# Altium PCB ComplexCurcuit.PcbDoc (part 1 of 2)
Units mm, origin at the board's own origin, x right, y up, seen from the top; angles counter-clockwise.
Board outline 109 x 101.5 mm, 4 copper layers (Top Layer, GND, POWER, Bottom Layer), stack 1.369 mm thick; 127 components, 88 nets, 439 pads, 188 vias.
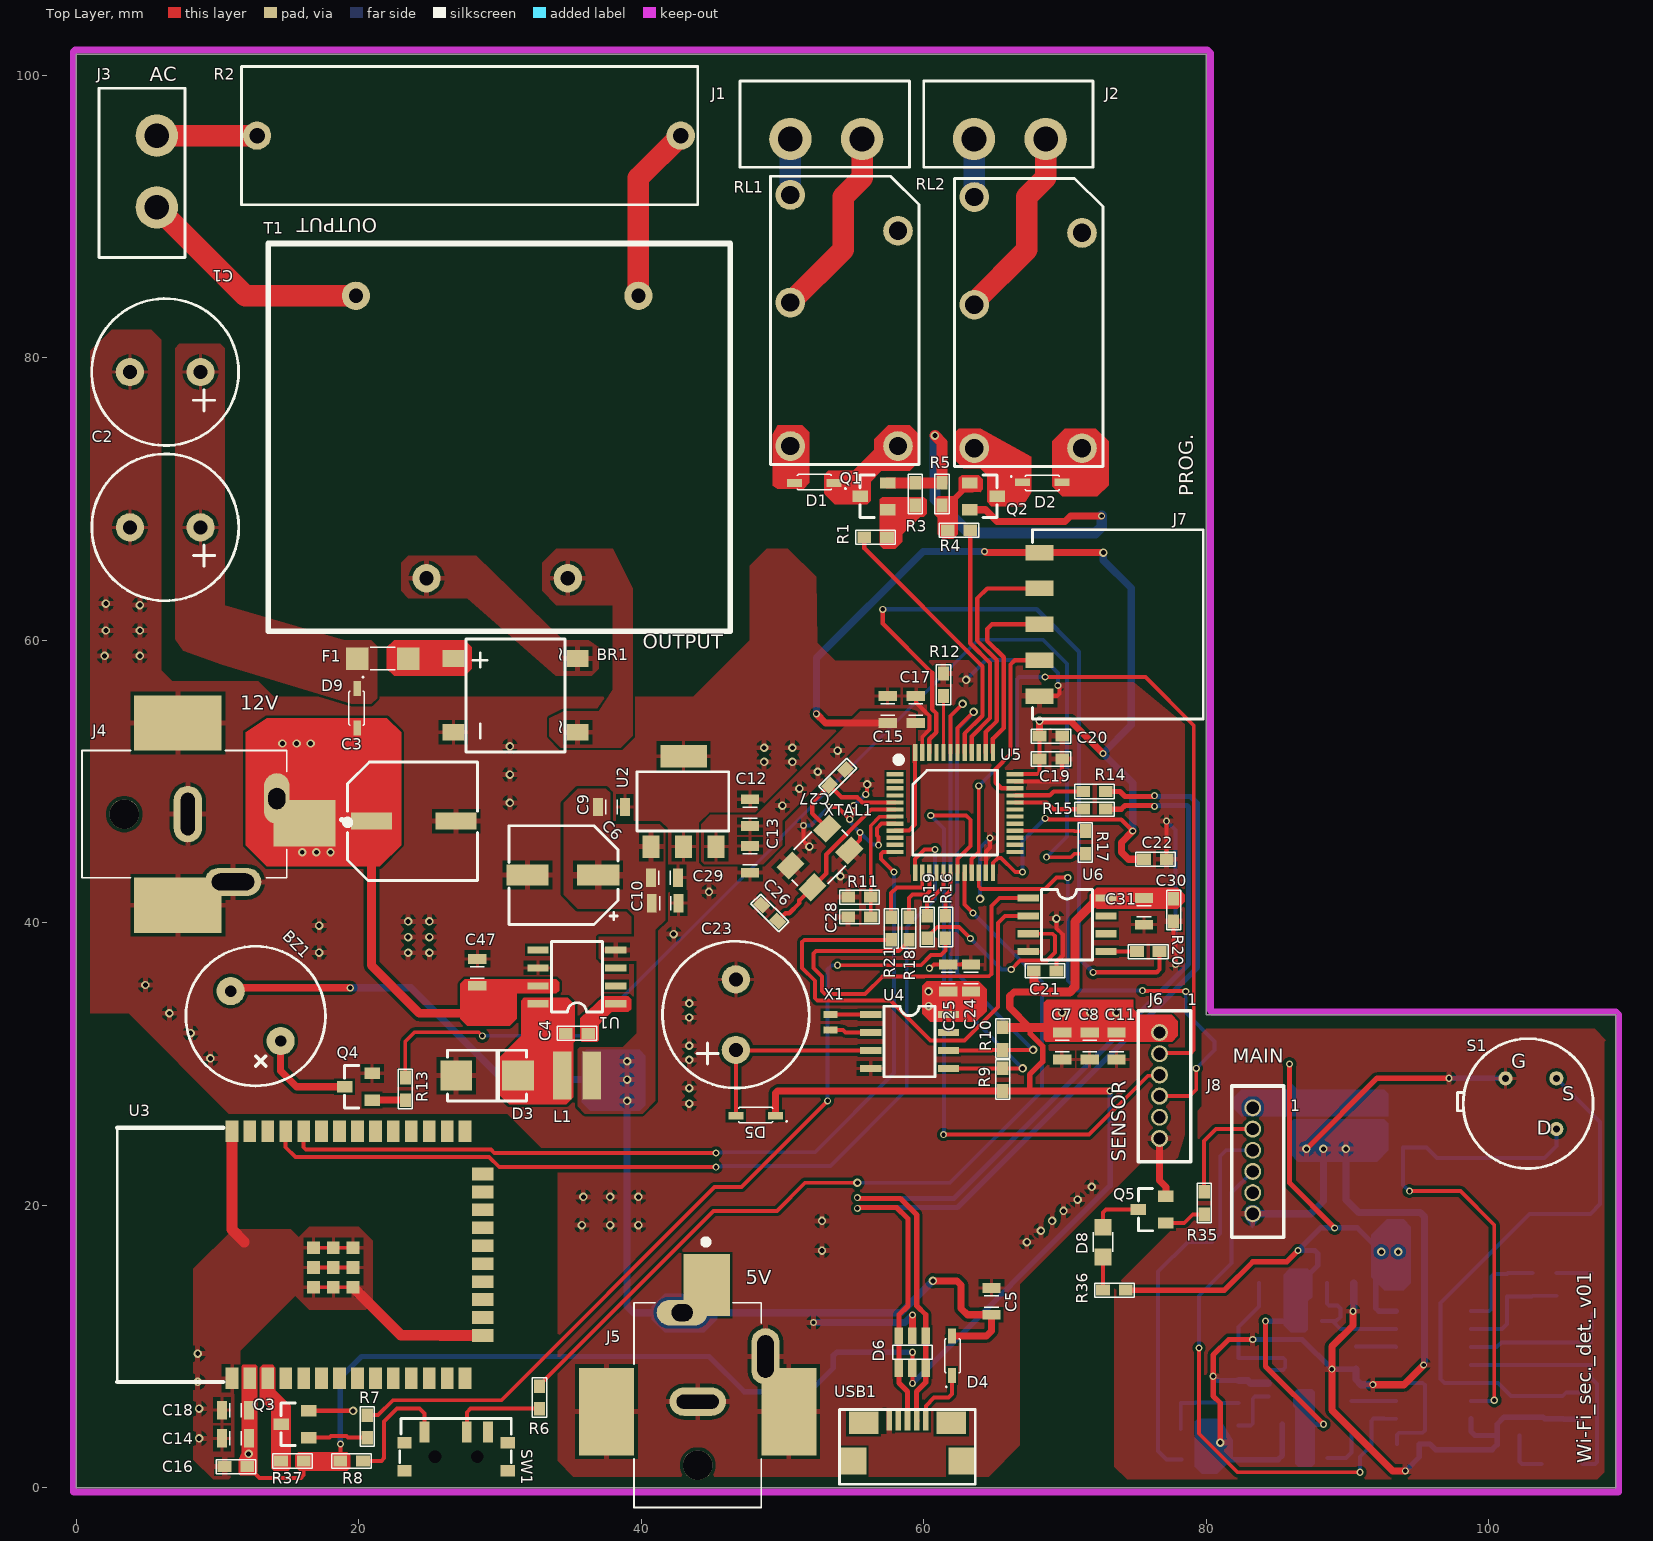
[diagram p0: Top Layer view]
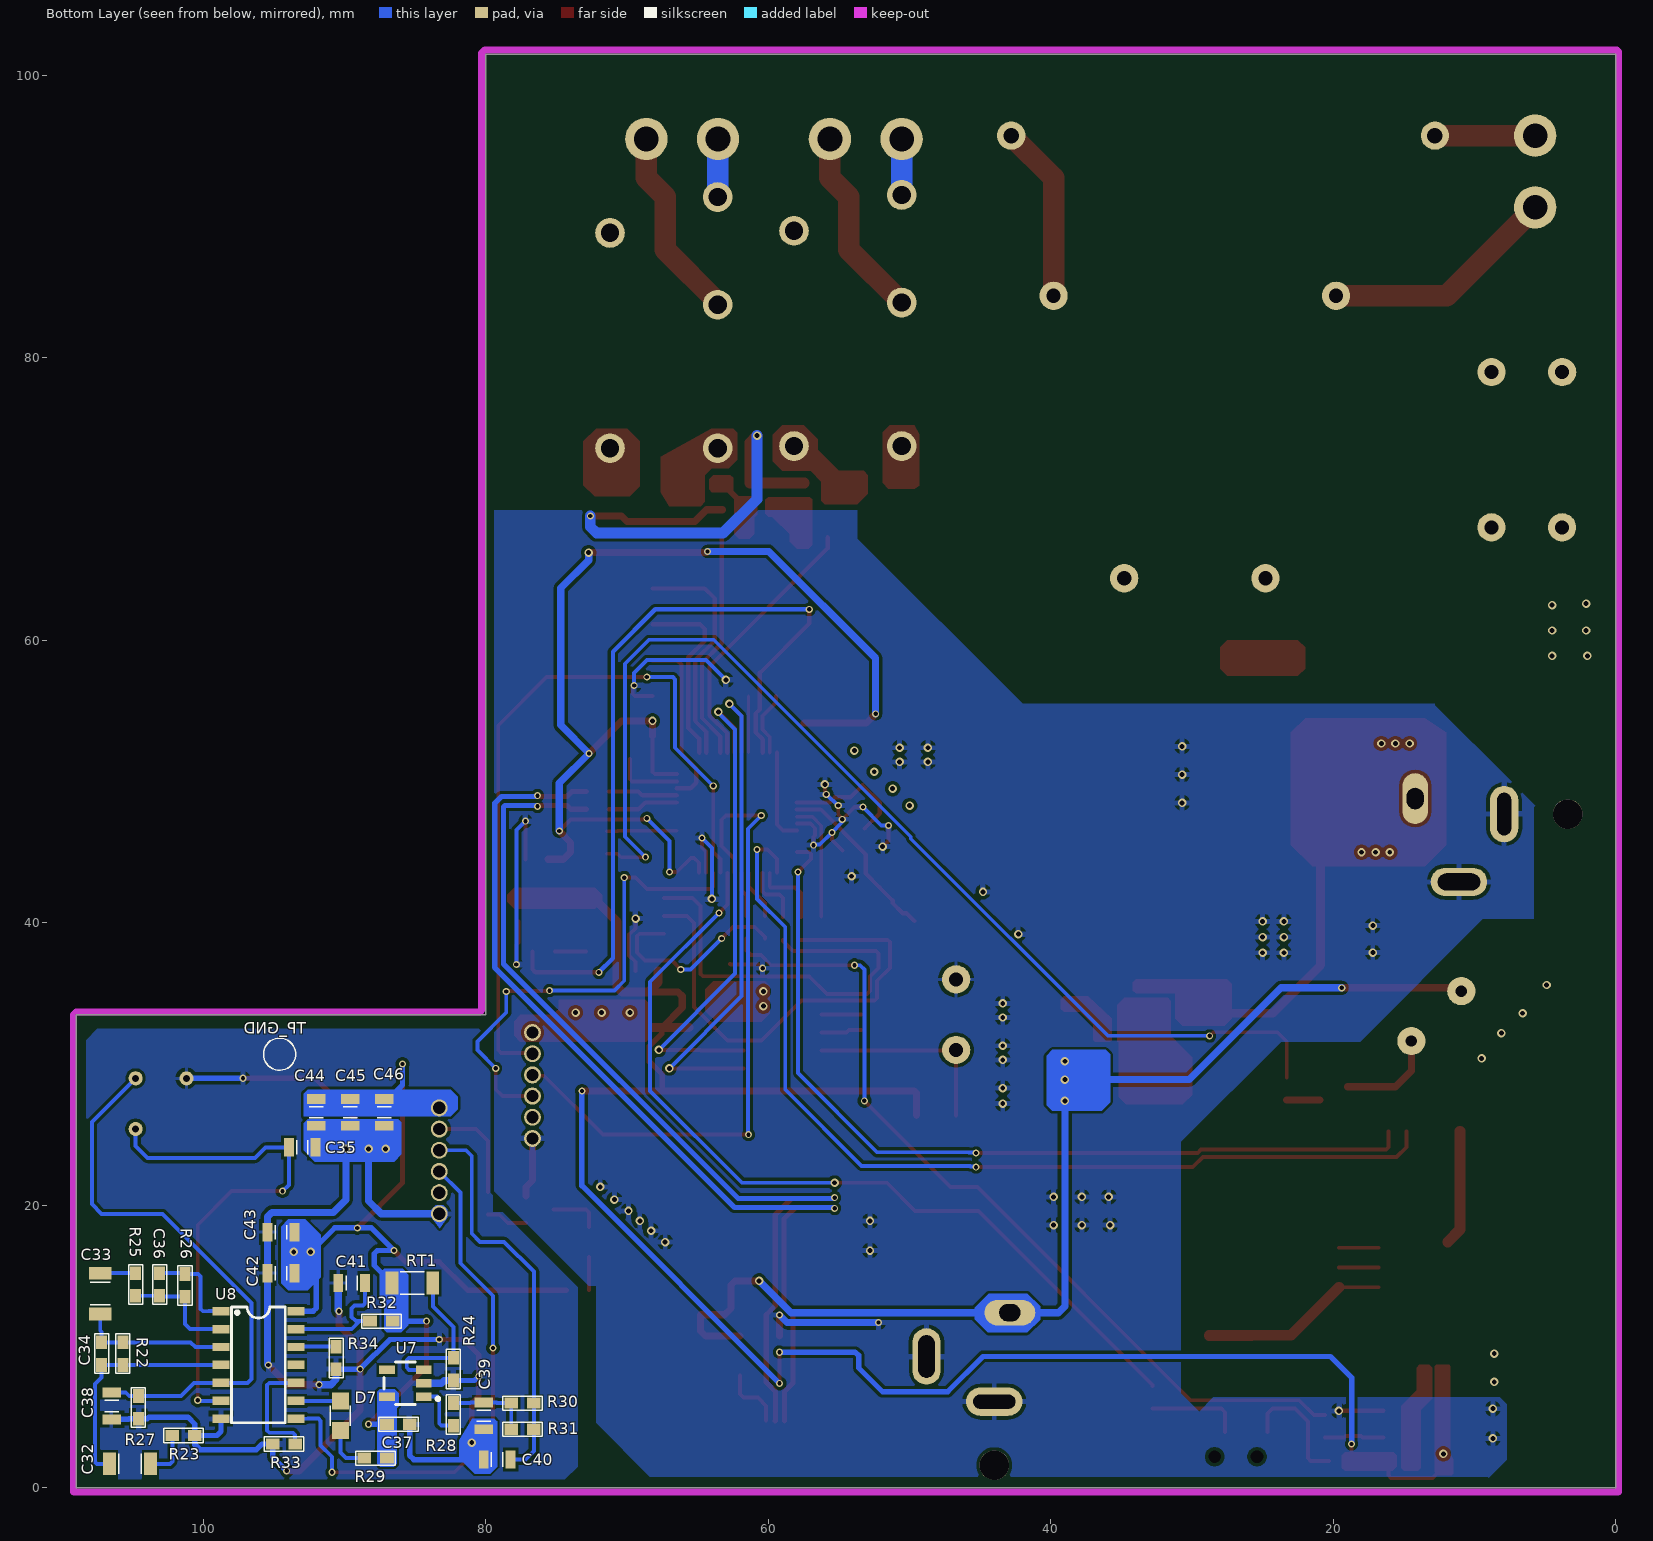
[diagram p1: Bottom Layer view, seen from below]
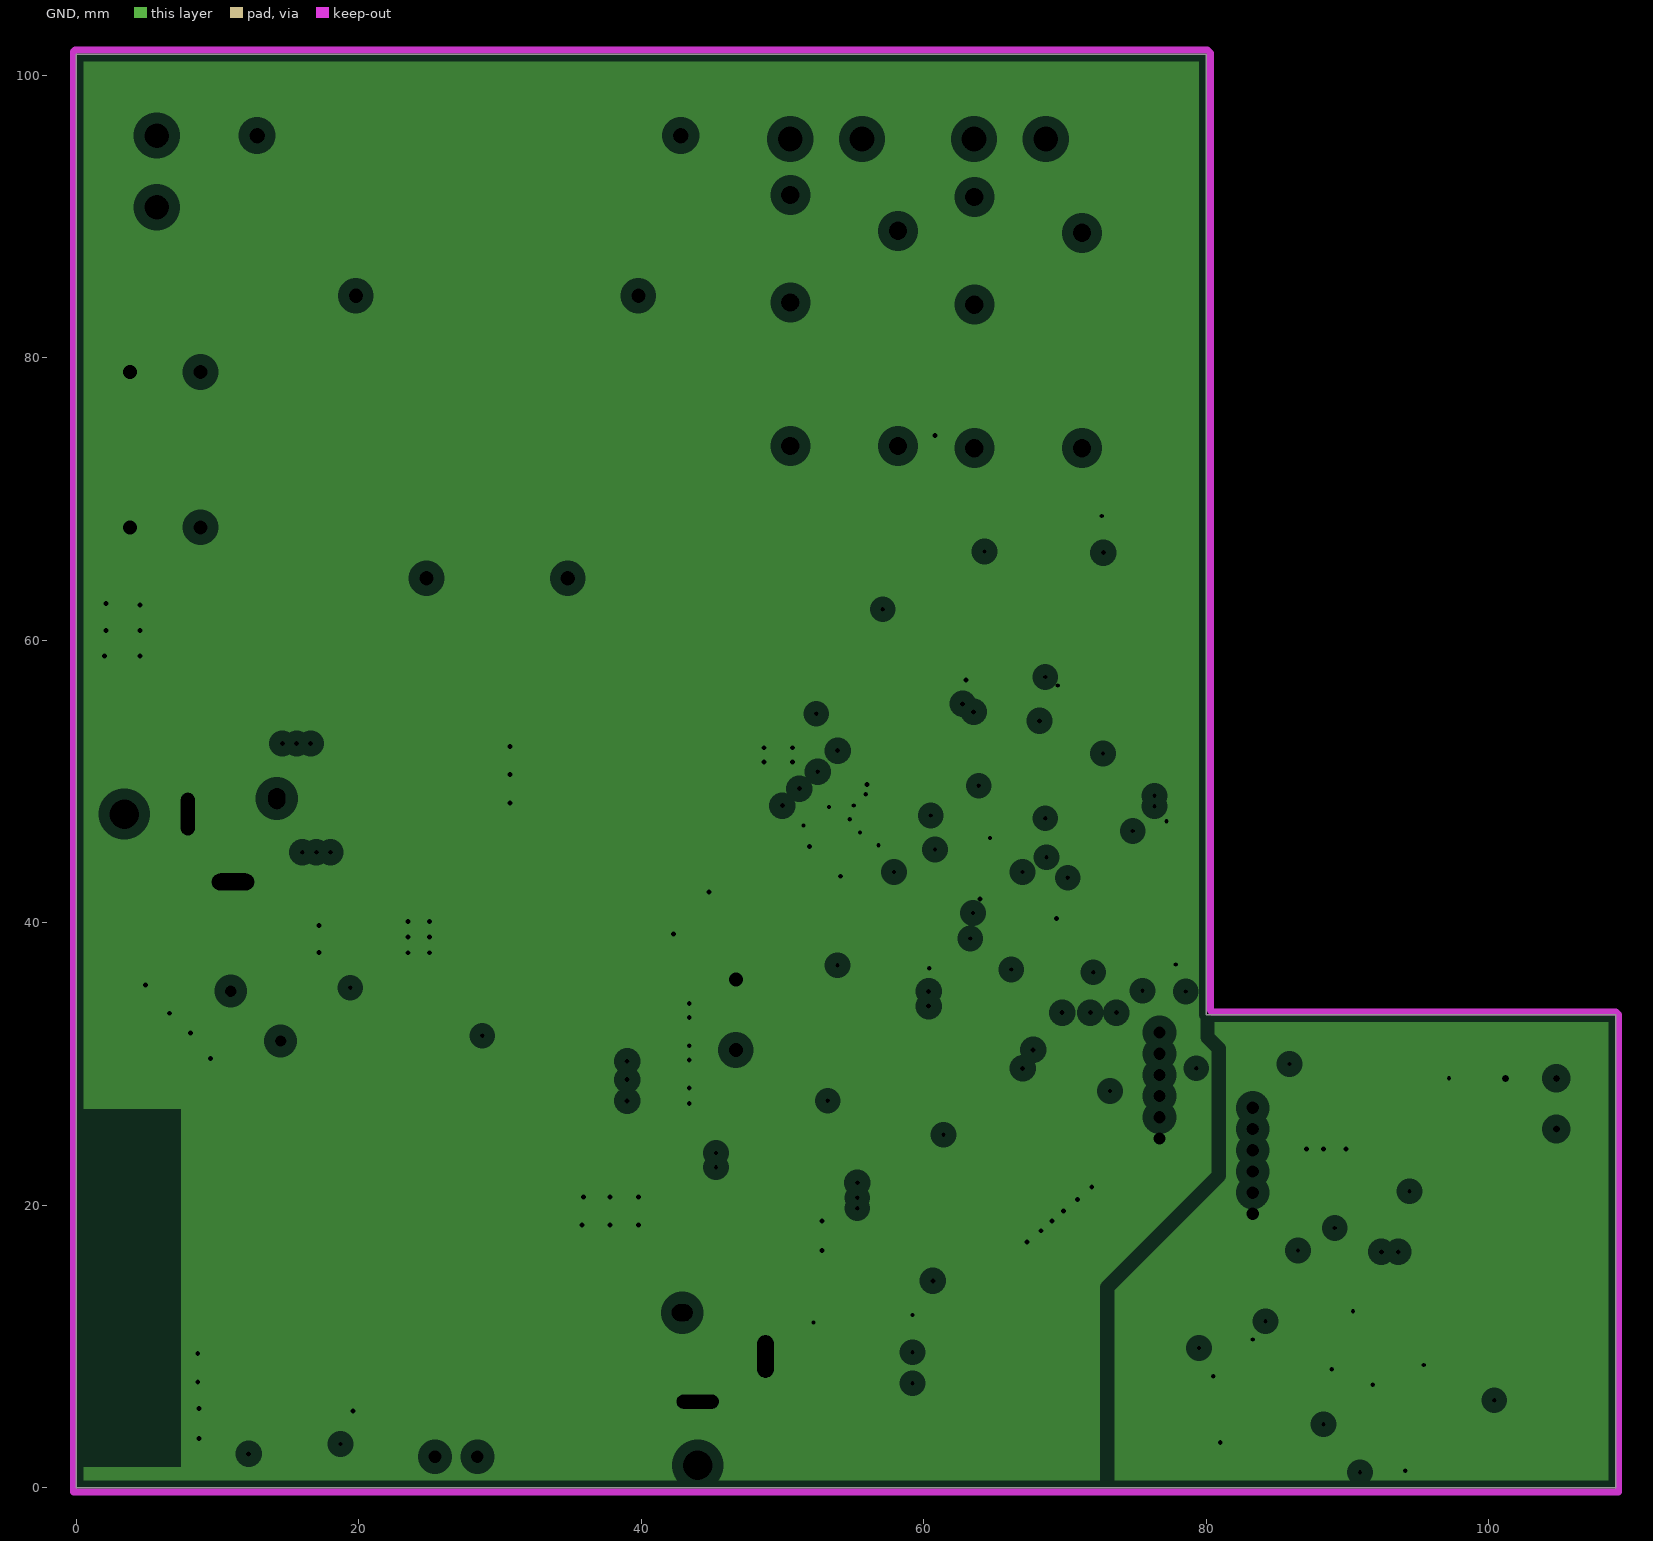
[diagram p2: GND, clearances drawn from the general rule]
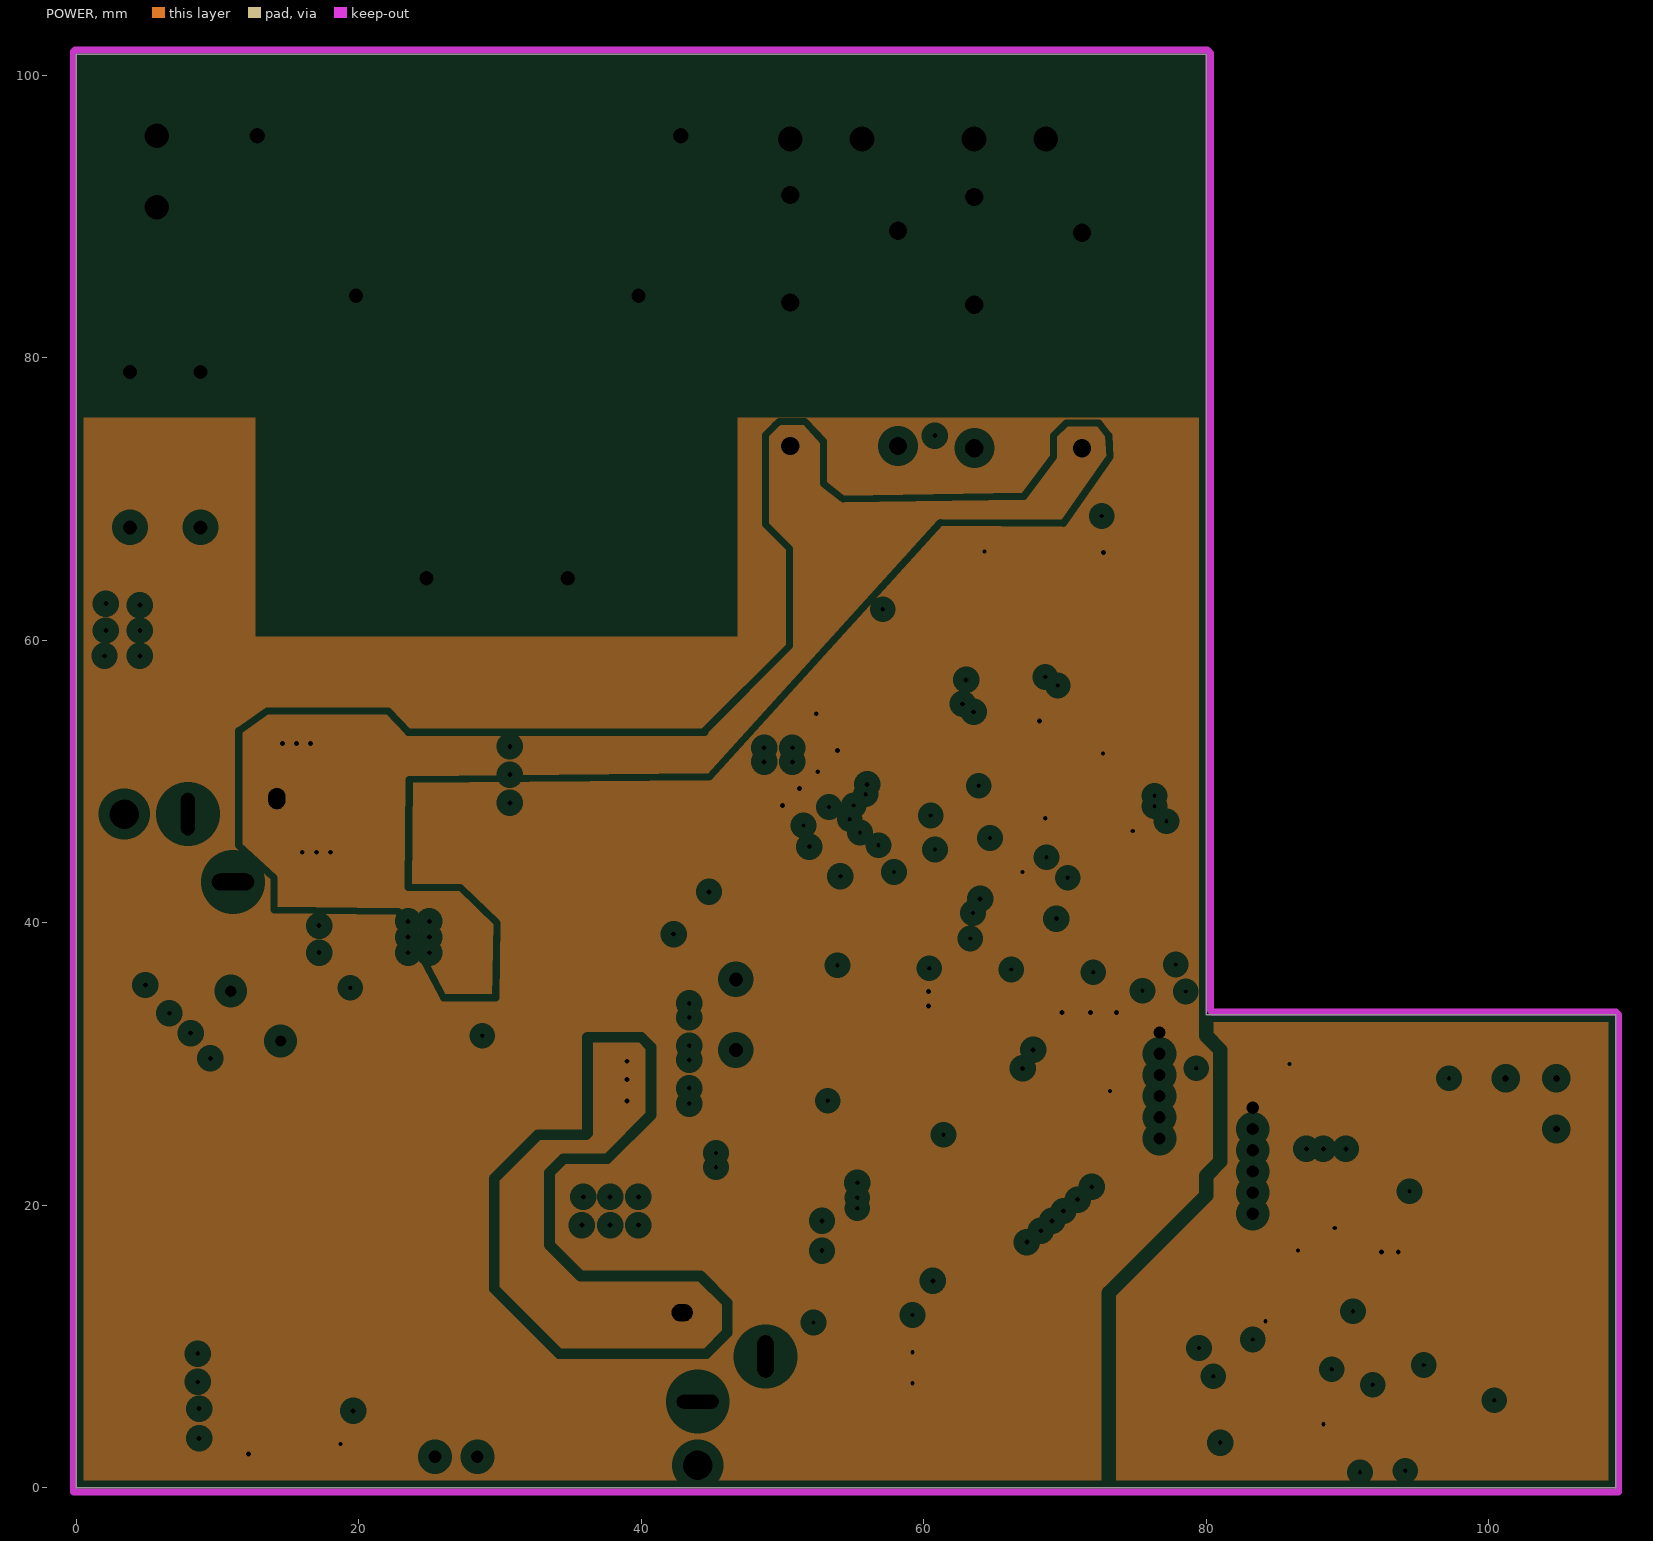
[diagram p3: POWER, clearances drawn from the general rule]
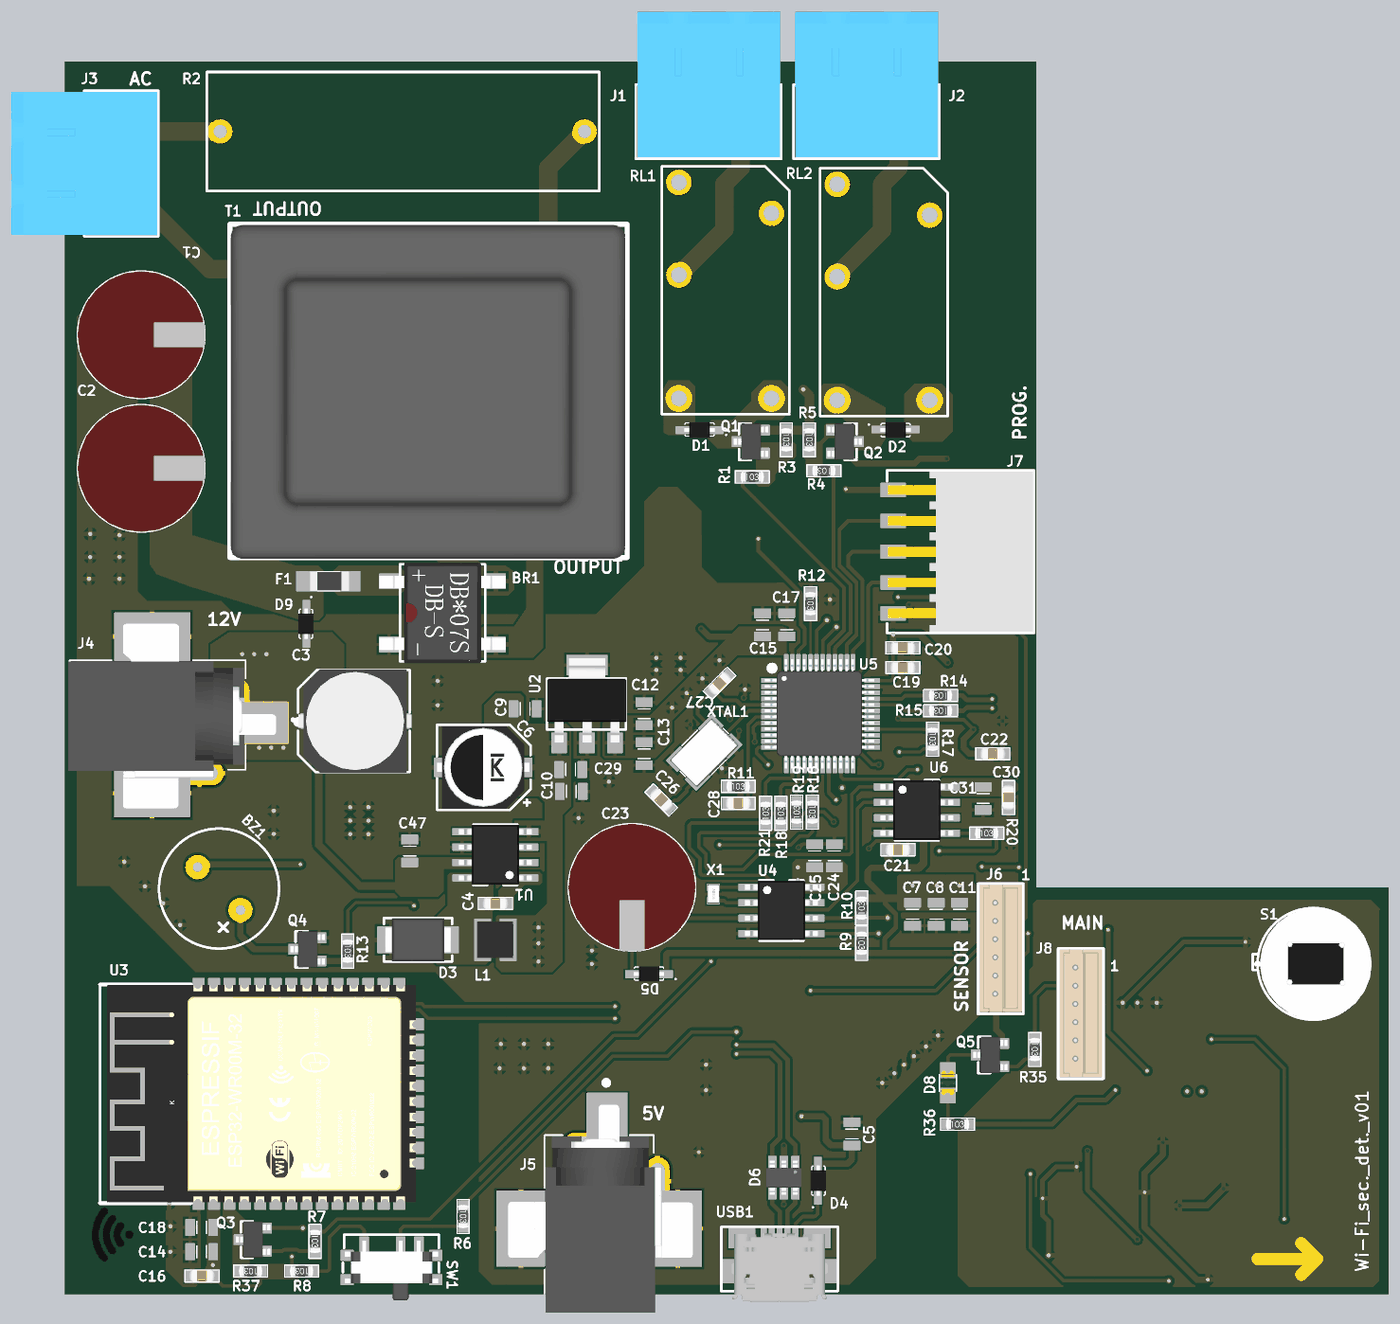
[diagram p5: 3D render of the assembled board from above, using the file's embedded part models]
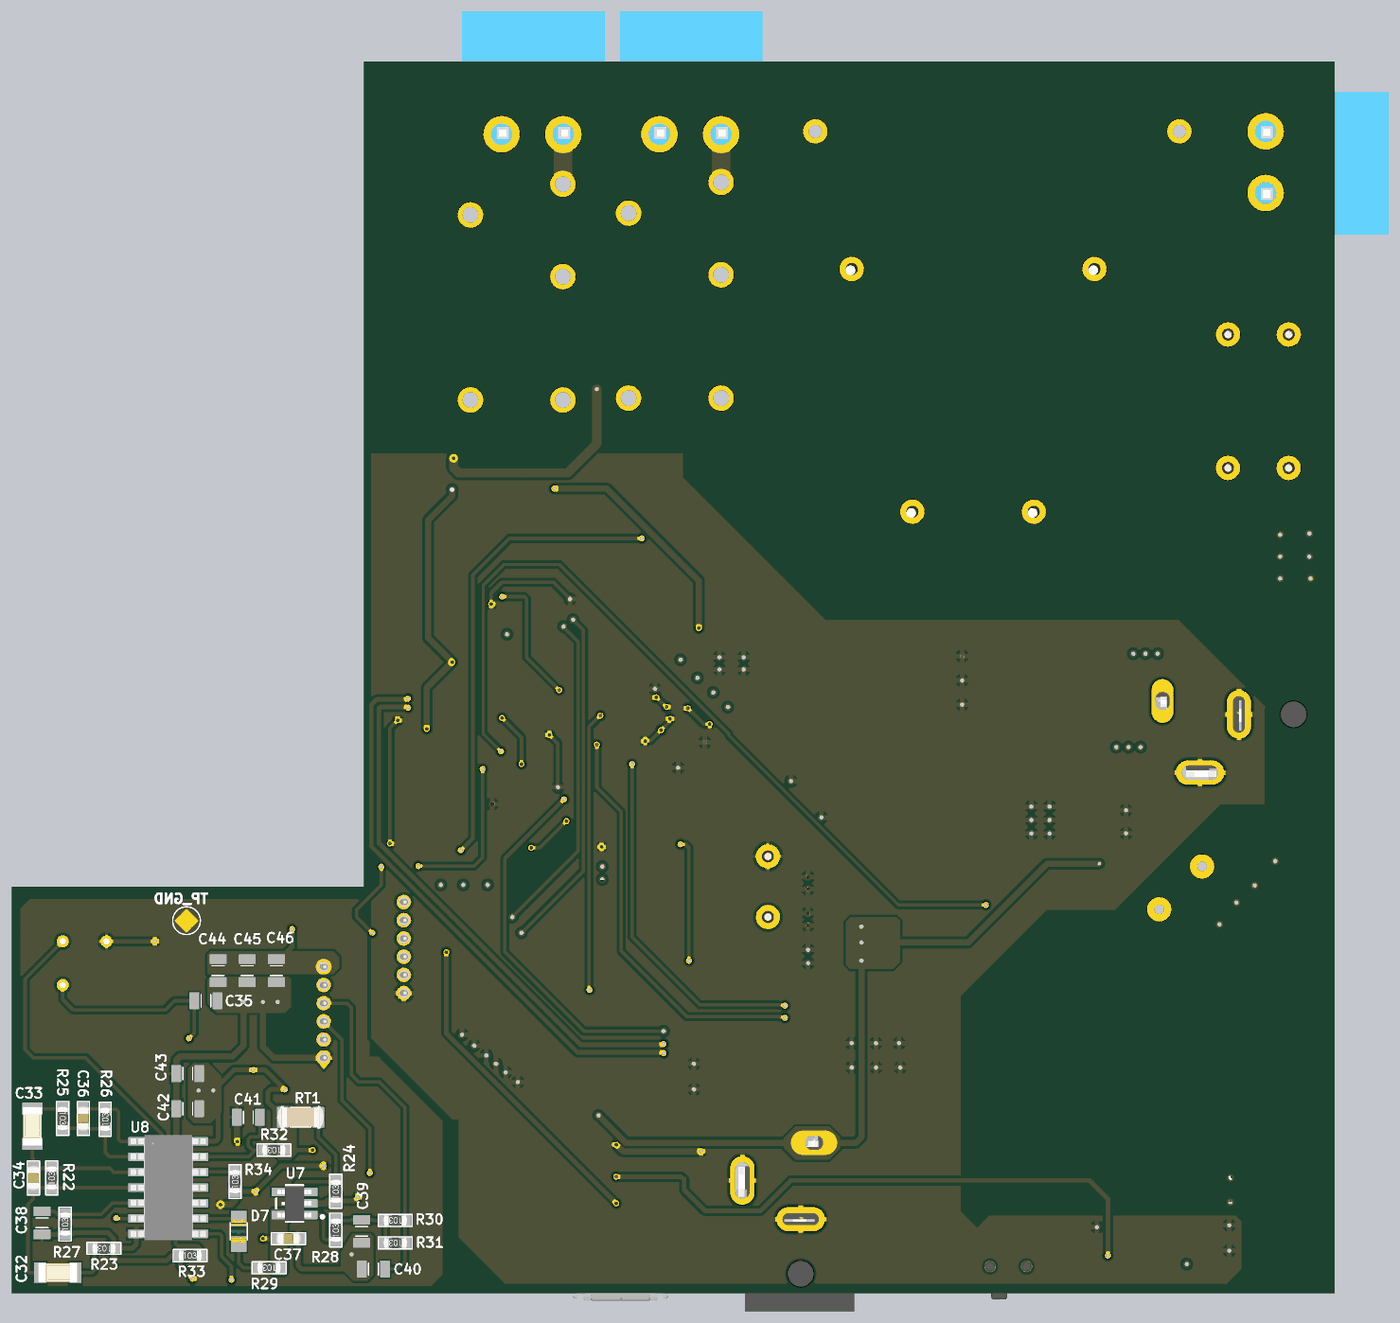
[diagram p6: 3D render of the assembled board from below, using the file's embedded part models]

## Layer stack, top to bottom
Top Solder: solder mask 0.0254, SM-001, Dk 4
Top Layer: signal copper 0.035
Dielectric 1: prepreg 0.1295, PP-017, Dk 4.3
Dielectric 2: prepreg 0.1295, PP-017, Dk 4.3
GND: plane copper 0.035, net GND
Dielectric 3: core 0.7112, Core-039, Dk 4.8
POWER: plane copper 0.035, net (Multiple Nets)
Dielectric 4: prepreg 0.1295, PP-017, Dk 4.3
Dielectric 5: prepreg 0.1295, PP-017, Dk 4.3
Bottom Layer: signal copper 0.035
Bottom Solder: solder mask 0.0254, SM-001, Dk 4

## Board outline
0,0 0,101.5 80,101.5 80,33.5 109,33.5 109,0

## Design rules (kind name [scope] priority, off if disabled: settings)
Clearance [All] p1: gap=0.229 ignorepadtopadclearanceinfootprint=TRUE except(0.025: Arc-Text Track-Text SMDPad-Text THPad-Text Via-Text Fill-Text Poly-Text Region-Text Text-Text; 0.178: Arc-Arc Arc-Track Arc-SMDPad Arc-Via Track-Track Track-SMDPad Track-Via SMDPad-Fill SMDPad-Poly SMDPad-Region Fill-Fill Fill-Poly Fill-Region Poly-Poly Poly-Region Region-Region; 0.203: SMDPad-SMDPad SMDPad-THPad THPad-THPad; 0.254: Arc-THPad Track-THPad SMDPad-Via THPad-Via Via-Via)
ComponentClearance [All] p1: gap=0.127 collisioncheckmode=3 verticalgap=0 showdistances=FALSE
DiffPairsRouting [InDifferentialPair('USB')] p1: maxlimit=0.254 minlimit=0.254 mostfreqgap=0.254 toplayer_minwidth=0.374 toplayer_maxwidth=0.374 toplayer_prefwidth=0.374 bottomlayer_minwidth=0.374 bottomlayer_maxwidth=0.374 bottomlayer_prefwidth=0.374 impedanceprofiledriven=TRUE impedanceprofileid={0132B26C-9F52-4EAD-9707-0E9C9F345A02} impedanceprofilevalue=90.000000 maxuncoupledlength=12.7
DiffPairsRouting DiffPairsRouting_1 [InDifferentialPair('MCU')] p2: maxlimit=0.208 minlimit=0.208 mostfreqgap=0.208 toplayer_minwidth=0.305 toplayer_maxwidth=0.305 toplayer_prefwidth=0.305 bottomlayer_minwidth=0.305 bottomlayer_maxwidth=0.305 bottomlayer_prefwidth=0.305 impedanceprofiledriven=TRUE impedanceprofileid={9296A9AB-0FFE-4F14-982B-D4469259F6B3} impedanceprofilevalue=90.000000 maxuncoupledlength=12.7
MinimumSolderMaskSliver [All] p1: minsoldermaskwidth=0.127
PasteMaskExpansion [All] p1: expansion=0.05
PlaneClearance [All] p1: clearance=0.762
PlaneConnect [All] p1: planeconnectstyle=Relief reliefexpansion=0.381 reliefentries=4 reliefconductorwidth=0.381 reliefairgap=0.254
PolygonConnect [All] p1: connectstyle=Relief reliefconductorwidth=0.381 reliefentries=4 polygonreliefangle="90 Angle" airgapwidth=0.254
RoutingCorners [All] p1: cornerstyle=45-Degree minsetback=2.032 maxsetback=2.032
RoutingVias [All] p1: holewidth=0.3 width=0.5 viastyle="Through Hole" minholewidth=0.25 minwidth=0.4 maxholewidth=0.5 maxwidth=1
SMDToCorner [All] p1: distance=10000
SilkToSilkClearance [All] p1 off: silktosilkclearance=0
SilkToSolderMaskClearance [IsPad] p1 off: minsilkscreentomaskgap=0.127 clearancetoexposedcopper=TRUE
SolderMaskExpansion [All] p1: expansion=0.102 istentingtop=FALSE
Width [All] p1: maxlimit=1.524 minlimit=0.203 preferedwidth=0.279 minimp=50.000000 maximp=50.000000 favimp=50.000000
21 further rules are at their usual default settings.

## Classes and differential pairs
component class SensorBoard: C32 C33 C34 C35 C36 C37 C38 C39 C40 C41 C42 C43 C44 C45 C46 D7 D8 J8 Q5 R22 R23 R24 R25 R26 R27 R28 R29 R30 R31 R32 R33 R34 R35 R36 RT1 S1 U7 U8
component class PowerManagment: BR1 C1 C2 C3 C4 C5 C6 C7 C8 C9 C10 C11 C12 C13 C47 D1 D2 D3 D4 D9 F1 J1 J2 J3 J4 J5 J6 J7 L1 Q1 Q2 R1 R2 R3 R4 R5 RL1 RL2 T1 U1 U2 USB1
component class Microcontroller: BZ1 C14 C15 C16 C17 C18 C19 C20 C21 C22 C23 C24 C25 C26 C27 C28 C29 C30 C31 D5 D6 Q3 Q4 R6 R7 R8 R9 R10 R11 R12 R13 R14 R15 R16 R17 R18 R19 R20 R21 R37 SW1 U3 U4 U5 U6 X1 XTAL1
differential pair MCU: +MCU_P -MCU_N
differential pair USB: +USB_P -USB_N

## Components (designator, comment, footprint, x,y, rotation, side; value= is the part's Value field where it differs from the comment)
BR1 "DB105TR" DB105S 31.1,56.1 r90 top
BZ1 "CMI-9605-0580T" "BUZZER CMI-9605-0580T" 12.7,33.4 r225 top
C1 "ESH477M050AH4AA CAP" "CAP _RADİAL_D10_P5" 6.295,79 r180 top
C2 "ESH477M050AH4AA CAP" "CAP _RADİAL_D10_P5" 6.3,68.005 r180 top
C3 "UWT1H101MNL1GS" "CAP AEC NICHICON" 23.9,47.2 r0 top
C4 "0603B103K160CT" "CAP 0603" 35.45,32.18 r180 top
C5 "CAP CER 4.7UF 25V X5R 0805" "CAP 0805" 64.8,13.2 r270 top value=4.7uF
C6 "EEV686M035A9HAA" CAP_EEVSERİES 34.45,43.38 r180 top
C7 "CAP CER 4.7UF 25V X5R 0805" "CAP 0805" 69.8,31.285 r90 top value=4.7uF
C8 "CAP CER 4.7UF 25V X5R 0805" "CAP 0805" 71.75,31.285 r90 top value=4.7uF
C9 "CAP CER 1UF 50V X7R 0805" "CAP 0805" 37.9,48.2 r0 top
C10 "CAP CER 4.7UF 25V X5R 0805" "CAP 0805" 41.7,41.4 r0 top value=4.7uF
C11 "CAP CER 1UF 50V X7R 0805" "CAP 0805" 73.65,31.285 r90 top
C12 "CAP CER 1UF 50V X7R 0805" "CAP 0805" 47.7,44.5 r270 top
C13 "CAP CER 4.7UF 25V X5R 0805" "CAP 0805" 47.7,47.8 r90 top value=4.7uF
C14 "CAP CER 4.7UF 25V X5R 0805" "CAP 0805" 11.27,3.5 r0 top value=4.7uF
C15 "CAP CER 1UF 50V X7R 0805" "CAP 0805" 57.45,55.11 r90 top
C16 "CAP CER 100nF" "CAP 0603" 11.3,1.5 r0 top
C17 "CAP CER 4.7UF 25V X5R 0805" "CAP 0805" 59.45,55.11 r270 top value=4.7uF
C18 "CAP CER 1UF 50V X7R 0805" "CAP 0805" 11.271,5.5 r180 top
C19 "CAP CER 100nF" "CAP 0603" 69,51.6 r180 top
C20 "CAP CER 100nF" "CAP 0603" 69,53.225 r180 top
C21 "CAP CER 100nF" "CAP 0603" 68.6,36.6 r180 top
C22 "CAP CER 100nF" "CAP 0603" 76.4,44.5 r180 top
C23 "ESH477M050AH4AA CAP" "CAP _RADİAL_D10_P5" 46.7,33.5 r90 top
C24 "CAP CER 0.1UF 50V X7R 0805" "CAP 0805" 63.35,36.1 r270 top value=100nF
C25 "CAP CER 1UF 50V X7R 0805" "CAP 0805" 61.75,36.1 r90 top
C26 "CAP CER 20PF 50V C0G/NP0 0603" "CAP 0603" 49.1,40.7 r315 top
C27 "CAP CER 20PF 50V C0G/NP0 0603" "CAP 0603" 53.9,50.3 r225 top
C28 "CAP CER 100nF" "CAP 0603" 55.45,40.42 r0 top
C29 "CAP CER 0.1UF 50V X7R 0805" "CAP 0805" 41.65,43.2 r180 top value=100nF
C30 "CAP CER 100nF" "CAP 0603" 77.7,40.9 r90 top
C31 "CAP CER 1UF 50V X7R 0805" "CAP 0805" 75.6,40.82 r270 top
C32 "CAP CER 33UF 25V X5R 1206" "CAP 1206" 105.2,1.7 r0 bottom
C33 "CAP CER 33UF 25V X5R 1206" "CAP 1206" 107.3,13.75 r90 bottom
C34 "0603B103K160CT" "CAP 0603" 107.2,9.5 r90 bottom
C35 "CAP CER 0.1UF 50V X7R 0805" "CAP 0805" 93,24.1 r0 bottom value=100nF
C36 "0603B103K160CT" "CAP 0603" 103.1,14.4 r90 bottom
C37 "CAP CER 100nF" "CAP 0603" 86.2,4.5 r0 bottom
C38 "CAP CER 0.1UF 50V X7R 0805" "CAP 0805" 106.5,5.8 r90 bottom value=100nF
C39 "CAP CER 4.7UF 25V X5R 0805" "CAP 0805" 80.161,5.1 r90 bottom value=4.7uF
C40 "CAP CER 1UF 50V X7R 0805" "CAP 0805" 79.2,2 r180 bottom
C41 "CAP CER 0.1UF 50V X7R 0805" "CAP 0805" 89.5,14.5 r0 bottom value=100nF
C42 "CAP CER 0.1UF 50V X7R 0805" "CAP 0805" 94.5,15.2 r180 bottom value=100nF
C43 "CAP CER 1UF 50V X7R 0805" "CAP 0805" 94.5,18.1 r180 bottom
C44 "CAP CER 4.7UF 25V X5R 0805" "CAP 0805" 92,26.585 r90 bottom value=4.7uF
C45 "CAP CER 4.7UF 25V X5R 0805" "CAP 0805" 89.6,26.585 r90 bottom value=4.7uF
C46 "CAP CER 1UF 50V X7R 0805" "CAP 0805" 87.2,26.585 r90 bottom
C47 "CAP CER 1UF 50V X7R 0805" "CAP 0805" 28.4,36.495 r90 top
D1 "DIODE GEN PURP 75V 150MA SOD323F" SOD323F 52.16,71.15 r180 top
D2 "DIODE GEN PURP 75V 150MA SOD323F" SOD323F 68.5,71.2 r0 top
D3 "1SMB5919BT3G" SMB 29.085,29.18 r0 top
D4 "DIODE GEN PURP 75V 150MA SOD323F" SOD323F 62,9.45 r90 top
D5 "DIODE GEN PURP 75V 150MA SOD323F" SOD323F 48,26.35 r180 top
D6 "TVS DIODE 5.25VWM 17VC SOT23-6" SOT23-6L 59.2,9.6 r180 top
D7 "LTST-C171GKT" "CHIP LED 0805" 90.3,5.1 r90 bottom
D8 "LH R974-LP-1" "CHIP LED 0805" 72.7,17.4 r90 top
D9 "DIODE GEN PURP 75V 150MA SOD323F" SOD323F 19.9,55.1 r270 top
F1 "3413.0216.22" "3413.0216.22 FUSE" 21.7,58.705 r180 top
J1 "TBP01R1-508-02BE" TBP01R1-508 53.1,95.5 r180 top
J2 "TBP01R1-508-02BE" TBP01R1-508 66.1,95.5 r180 top
J3 "TBP01R1-508-02BE" TBP01R1-508 5.7,93.2 r270 top
J4 "'PJ-037AH-SMT-TR" JACK 7.9,47.7 r0 top
J5 "'PJ-037AH-SMT-TR" JACK 44,6.1 r90 top
J6 "64800611622 Datasheet WR-WTB Male Vertical Shrouded Header" "64800611622 CONNECTOR-1X6 MALE HEADER" 76.7,28.485 r270 top
J7 "SMH-105-02-L-S" SMH-105-02-L-S 68.2,61.14 r270 top
J8 "64800611622 Datasheet WR-WTB Male Vertical Shrouded Header" "64800611622 CONNECTOR-1X6 MALE HEADER" 83.3,23.15 r270 top
L1 "78438335470" IND_1212 35.45,29.18 r0 top value=47uH
Q1 "MMBT3904-7-F" SOT23F 56.5,70.2 r90 top